# Altium PCB PCB4.PcbDoc (part 3 of 12)
Units mil, origin at the board's own origin, x right, y up, seen from the top; angles counter-clockwise.
Board outline 9204.7 x 4350.39 mil, 4 copper layers (Top Layer, Layer 1, Layer 2, Bottom Layer), stack 23.756 mil thick; 1824 components, 1732 nets, 6090 pads, 1022 vias.
Unrouted connection lines stored in the file: 2463.
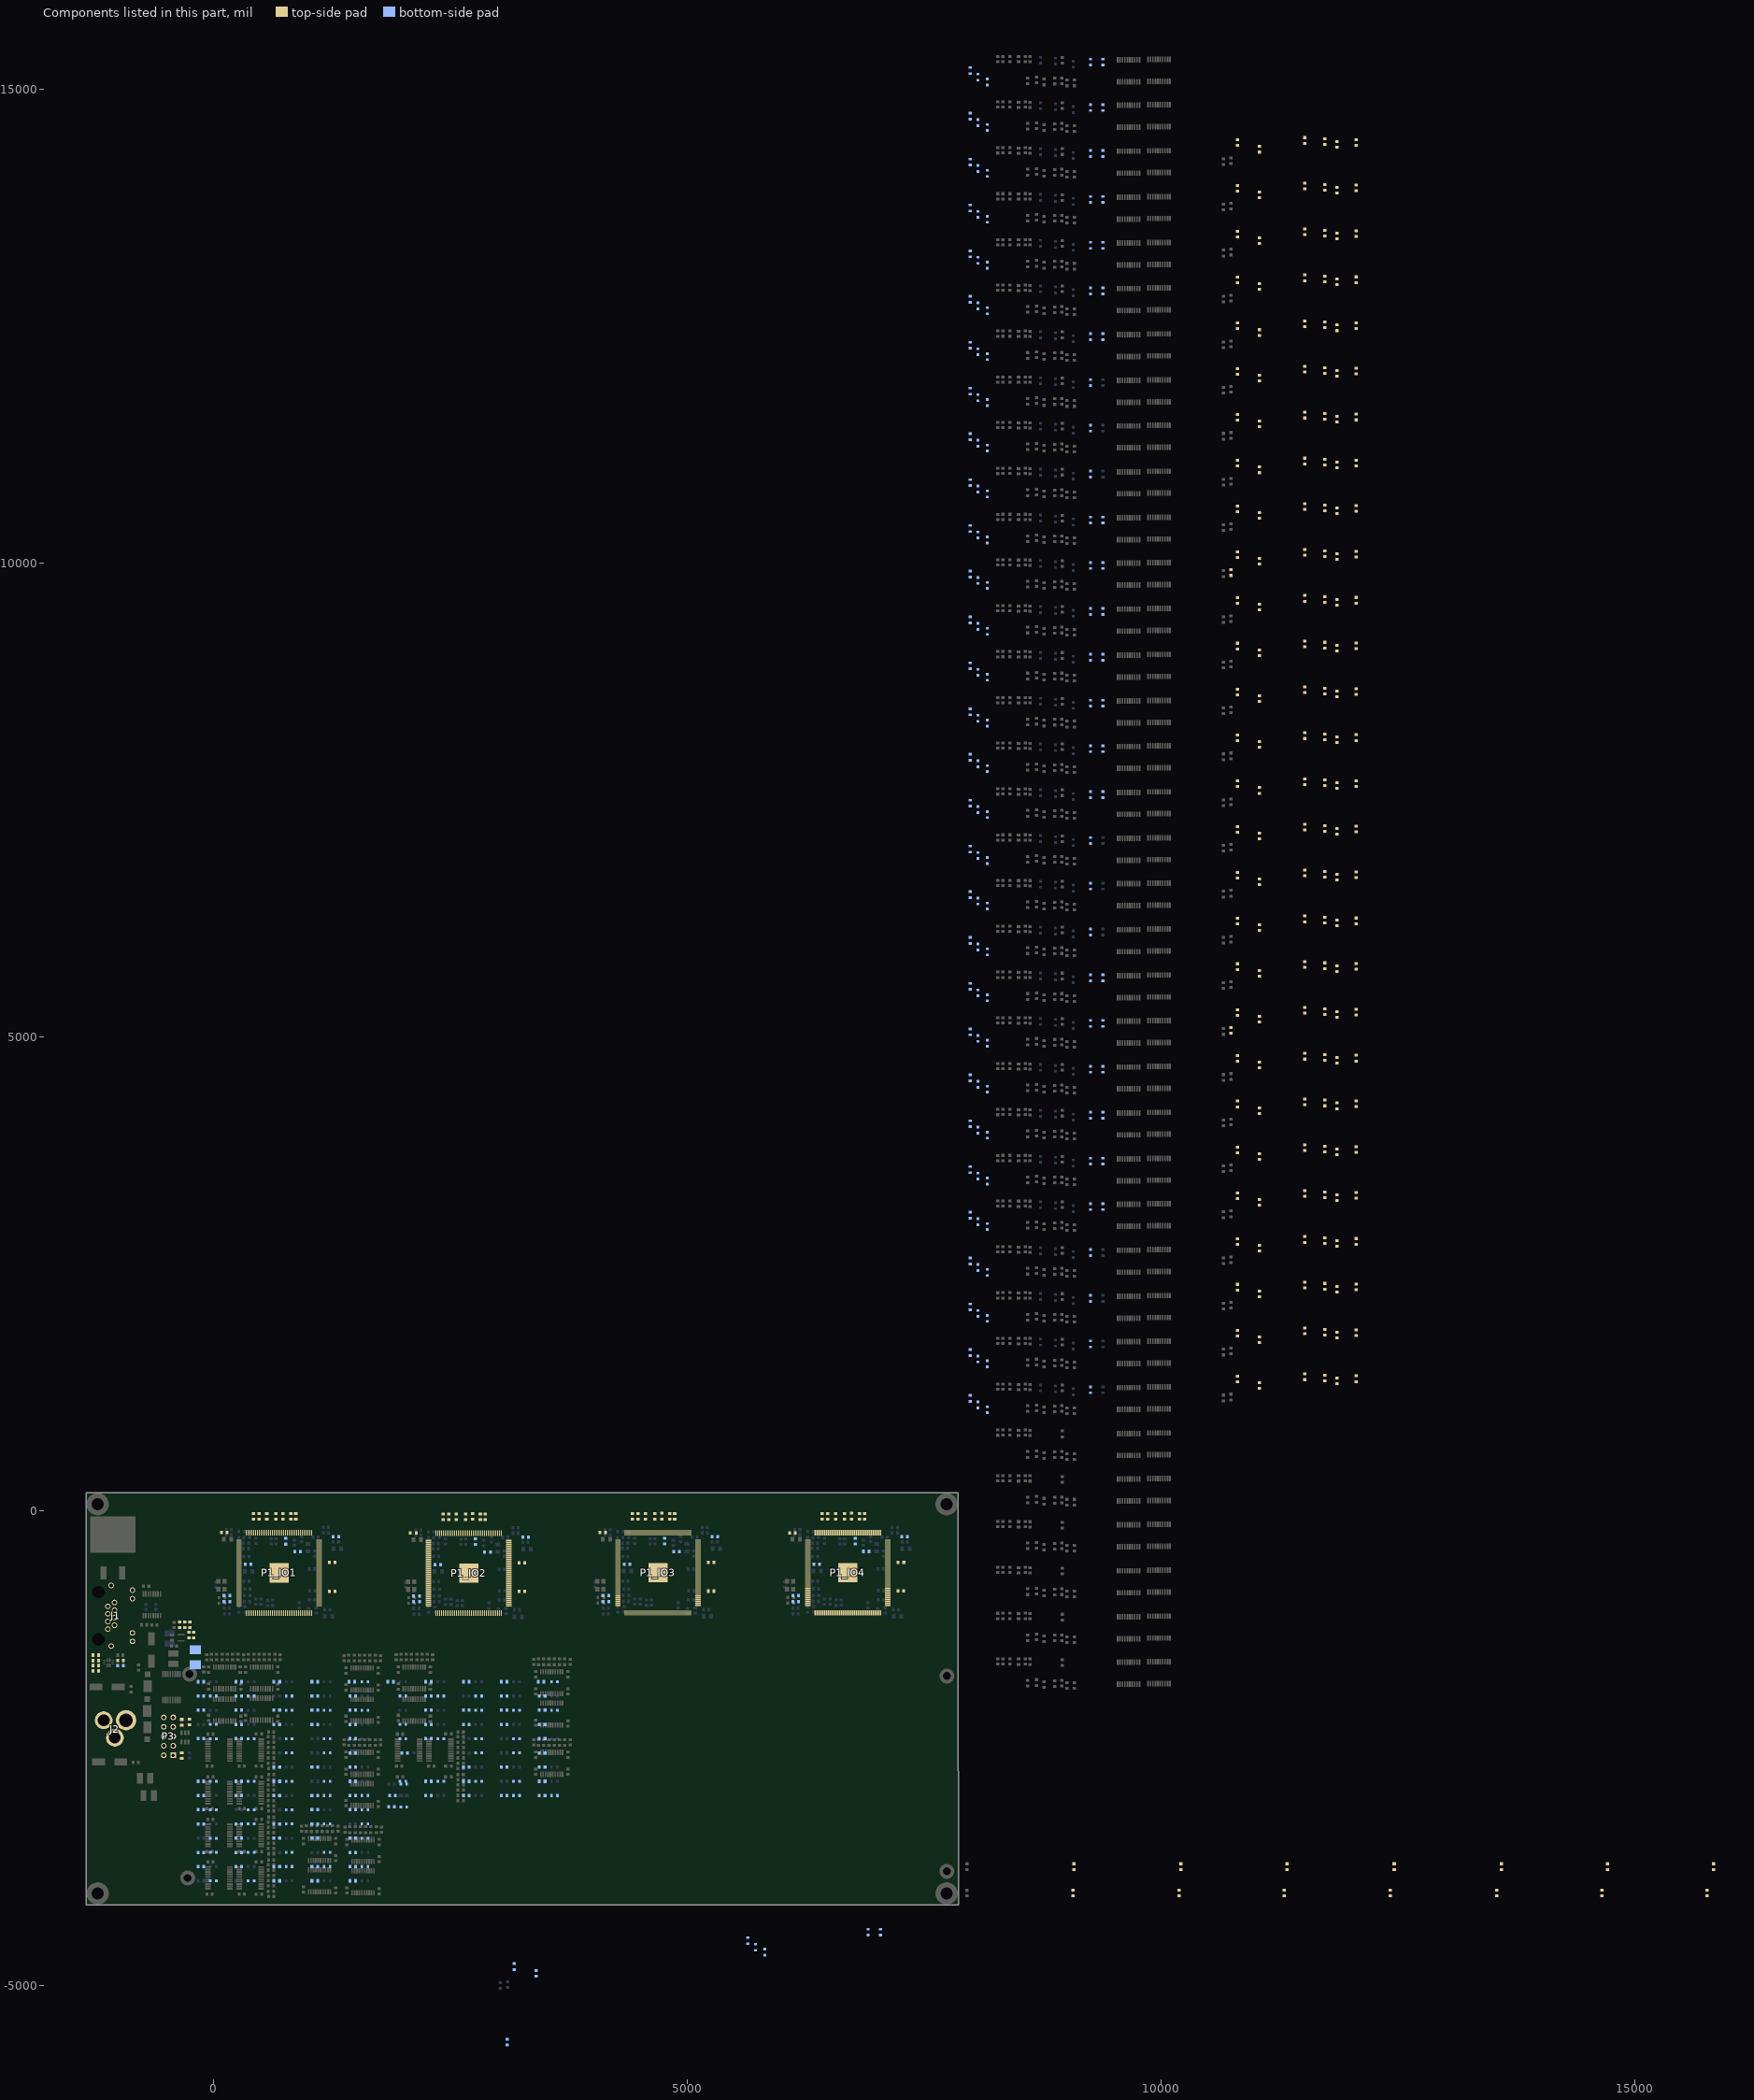
[diagram p5: the components of this part, seen from the top]

## Components (designator, comment, footprint, x,y, rotation, side; value= is the part's Value field where it differs from the comment) (continued)
D10_U_LED_BUFFER43 "LEDG" LED_0603 9386.74,7559.26 r90 bottom value=GREEN (schematic designator D10)
D10_U_LED_BUFFER44 "LEDG" LED_0603 9386.74,12389.96 r90 bottom value=GREEN (schematic designator D10)
D10_U_LED_BUFFER51 "LEDG" LED_0603 0,-2850 r180 bottom value=GREEN (schematic designator D10)
D10_U_LED_BUFFER51_1 "LEDG" LED_0603 2000,-2850 r180 bottom value=GREEN (schematic designator D10)
D10_U_LED_BUFFER52 "LEDG" LED_0603 9386.74,3212.81 r90 bottom value=GREEN (schematic designator D10)
D10_U_LED_BUFFER53 "LEDG" LED_0603 9386.74,8043.51 r90 bottom value=GREEN (schematic designator D10)
D10_U_LED_BUFFER54 "LEDG" LED_0603 9386.74,12874.21 r90 bottom value=GREEN (schematic designator D10)
D10_U_LED_BUFFER61 "LEDG" LED_0603 1200,-3000 r180 bottom value=GREEN (schematic designator D10)
D10_U_LED_BUFFER61_1 "LEDG" LED_0603 3200,-3000 r180 bottom value=GREEN (schematic designator D10)
D10_U_LED_BUFFER62 "LEDG" LED_0603 9386.74,3693.12 r90 bottom value=GREEN (schematic designator D10)
D10_U_LED_BUFFER63 "LEDG" LED_0603 9386.74,8523.82 r90 bottom value=GREEN (schematic designator D10)
D10_U_LED_BUFFER64 "LEDG" LED_0603 9386.74,13354.52 r90 bottom value=GREEN (schematic designator D10)
D10_U_LED_BUFFER71 "LEDG" LED_0603 400,-3300 r180 bottom value=GREEN (schematic designator D10)
D10_U_LED_BUFFER72 "LEDG" LED_0603 9386.74,4177.38 r90 bottom value=GREEN (schematic designator D10)
D10_U_LED_BUFFER73 "LEDG" LED_0603 9386.74,9008.07 r90 bottom value=GREEN (schematic designator D10)
D10_U_LED_BUFFER74 "LEDG" LED_0603 9386.74,13838.77 r90 bottom value=GREEN (schematic designator D10)
D10_U_LED_BUFFER81 "LEDG" LED_0603 1600,-3450 r180 bottom value=GREEN (schematic designator D10)
D10_U_LED_BUFFER82 "LEDG" LED_0603 9386.74,4661.63 r90 bottom value=GREEN (schematic designator D10)
D10_U_LED_BUFFER83 "LEDG" LED_0603 9386.74,9492.32 r90 bottom value=GREEN (schematic designator D10)
D10_U_LED_BUFFER84 "LEDG" LED_0603 9386.74,14323.02 r90 bottom value=GREEN (schematic designator D10)
D10_U_LED_BUFFER91 "LEDG" LED_0603 800,-3750 r180 bottom value=GREEN (schematic designator D10)
D10_U_LED_BUFFER92 "LEDG" LED_0603 9386.74,5145.88 r90 bottom value=GREEN (schematic designator D10)
D10_U_LED_BUFFER93 "LEDG" LED_0603 9386.74,9976.58 r90 bottom value=GREEN (schematic designator D10)
D10_U_LED_BUFFER94 "LEDG" LED_0603 9386.74,14807.27 r90 bottom value=GREEN (schematic designator D10)
D10_U_LED_BUFFER101 "LEDG" LED_0603 7040,-4441.18 r90 bottom value=GREEN (schematic designator D10)
D10_U_LED_BUFFER102 "LEDG" LED_0603 9386.74,5626.19 r90 bottom value=GREEN (schematic designator D10)
D10_U_LED_BUFFER103 "LEDG" LED_0603 9386.74,10456.89 r90 bottom value=GREEN (schematic designator D10)
D10_U_LED_BUFFER104 "LEDG" LED_0603 9386.74,15287.59 r90 bottom value=GREEN (schematic designator D10)
D11_U_LED_BUFFER11 "LEDG" LED_0603 1600,-1800 r180 bottom value=GREEN (schematic designator D11)
D11_U_LED_BUFFER11_1 "LEDG" LED_0603 3600,-1800 r180 bottom value=GREEN (schematic designator D11)
D11_U_LED_BUFFER12 "LEDG" LED_0603 9256.74,1279.74 r90 bottom value=GREEN (schematic designator D11)
D11_U_LED_BUFFER13 "LEDG" LED_0603 9256.74,6110.44 r90 bottom value=GREEN (schematic designator D11)
D11_U_LED_BUFFER14 "LEDG" LED_0603 9256.74,10941.14 r90 bottom value=GREEN (schematic designator D11)
D11_U_LED_BUFFER21 "LEDG" LED_0603 800,-2100 r180 bottom value=GREEN (schematic designator D11)
D11_U_LED_BUFFER21_1 "LEDG" LED_0603 2800,-2100 r180 bottom value=GREEN (schematic designator D11)
D11_U_LED_BUFFER22 "LEDG" LED_0603 9256.74,1763.99 r90 bottom value=GREEN (schematic designator D11)
D11_U_LED_BUFFER23 "LEDG" LED_0603 9256.74,6594.69 r90 bottom value=GREEN (schematic designator D11)
D11_U_LED_BUFFER24 "LEDG" LED_0603 9256.74,11425.39 r90 bottom value=GREEN (schematic designator D11)
D11_U_LED_BUFFER31 "LEDG" LED_0603 0,-2400 r180 bottom value=GREEN (schematic designator D11)
D11_U_LED_BUFFER31_1 "LEDG" LED_0603 2000,-2400 r180 bottom value=GREEN (schematic designator D11)
D11_U_LED_BUFFER32 "LEDG" LED_0603 9256.74,2244.31 r90 bottom value=GREEN (schematic designator D11)
D11_U_LED_BUFFER33 "LEDG" LED_0603 9256.74,7075.01 r90 bottom value=GREEN (schematic designator D11)
D11_U_LED_BUFFER34 "LEDG" LED_0603 9256.74,11905.71 r90 bottom value=GREEN (schematic designator D11)
D11_U_LED_BUFFER41 "LEDG" LED_0603 1600,-3000 r180 bottom value=GREEN (schematic designator D11)
D11_U_LED_BUFFER41_1 "LEDG" LED_0603 3600,-3000 r180 bottom value=GREEN (schematic designator D11)
D11_U_LED_BUFFER42 "LEDG" LED_0603 9256.74,2728.56 r90 bottom value=GREEN (schematic designator D11)
D11_U_LED_BUFFER43 "LEDG" LED_0603 9256.74,7559.26 r90 bottom value=GREEN (schematic designator D11)
D11_U_LED_BUFFER44 "LEDG" LED_0603 9256.74,12389.96 r90 bottom value=GREEN (schematic designator D11)
D11_U_LED_BUFFER51 "LEDG" LED_0603 400,-2850 r180 bottom value=GREEN (schematic designator D11)
D11_U_LED_BUFFER51_1 "LEDG" LED_0603 2400,-2850 r180 bottom value=GREEN (schematic designator D11)
D11_U_LED_BUFFER52 "LEDG" LED_0603 9256.74,3212.81 r90 bottom value=GREEN (schematic designator D11)
D11_U_LED_BUFFER53 "LEDG" LED_0603 9256.74,8043.51 r90 bottom value=GREEN (schematic designator D11)
D11_U_LED_BUFFER54 "LEDG" LED_0603 9256.74,12874.21 r90 bottom value=GREEN (schematic designator D11)
D11_U_LED_BUFFER61 "LEDG" LED_0603 2010,-3120 r180 bottom value=GREEN (schematic designator D11)
D11_U_LED_BUFFER62 "LEDG" LED_0603 9256.74,3693.12 r90 bottom value=GREEN (schematic designator D11)
D11_U_LED_BUFFER63 "LEDG" LED_0603 9256.74,8523.82 r90 bottom value=GREEN (schematic designator D11)
D11_U_LED_BUFFER64 "LEDG" LED_0603 9256.74,13354.52 r90 bottom value=GREEN (schematic designator D11)
D11_U_LED_BUFFER71 "LEDG" LED_0603 800,-3300 r180 bottom value=GREEN (schematic designator D11)
D11_U_LED_BUFFER72 "LEDG" LED_0603 9256.74,4177.38 r90 bottom value=GREEN (schematic designator D11)
D11_U_LED_BUFFER73 "LEDG" LED_0603 9256.74,9008.07 r90 bottom value=GREEN (schematic designator D11)
D11_U_LED_BUFFER74 "LEDG" LED_0603 9256.74,13838.77 r90 bottom value=GREEN (schematic designator D11)
D11_U_LED_BUFFER81 "LEDG" LED_0603 0,-3600 r180 bottom value=GREEN (schematic designator D11)
D11_U_LED_BUFFER82 "LEDG" LED_0603 9256.74,4661.63 r90 bottom value=GREEN (schematic designator D11)
D11_U_LED_BUFFER83 "LEDG" LED_0603 9256.74,9492.32 r90 bottom value=GREEN (schematic designator D11)
D11_U_LED_BUFFER84 "LEDG" LED_0603 9256.74,14323.02 r90 bottom value=GREEN (schematic designator D11)
D11_U_LED_BUFFER91 "LEDG" LED_0603 1200,-3750 r180 bottom value=GREEN (schematic designator D11)
D11_U_LED_BUFFER92 "LEDG" LED_0603 9256.74,5145.88 r90 bottom value=GREEN (schematic designator D11)
D11_U_LED_BUFFER93 "LEDG" LED_0603 9256.74,9976.58 r90 bottom value=GREEN (schematic designator D11)
D11_U_LED_BUFFER94 "LEDG" LED_0603 9256.74,14807.27 r90 bottom value=GREEN (schematic designator D11)
D11_U_LED_BUFFER101 "LEDG" LED_0603 6910,-4441.18 r90 bottom value=GREEN (schematic designator D11)
D11_U_LED_BUFFER102 "LEDG" LED_0603 9256.74,5626.19 r90 bottom value=GREEN (schematic designator D11)
D11_U_LED_BUFFER103 "LEDG" LED_0603 9256.74,10456.89 r90 bottom value=GREEN (schematic designator D11)
D11_U_LED_BUFFER104 "LEDG" LED_0603 9256.74,15287.59 r90 bottom value=GREEN (schematic designator D11)
D12_U_LED_BUFFER11 "LEDG" LED_0603 0,-1950 r180 bottom value=GREEN (schematic designator D12)
D12_U_LED_BUFFER11_1 "LEDG" LED_0603 2000,-1950 r180 bottom value=GREEN (schematic designator D12)
D12_U_LED_BUFFER12 "LEDG" LED_0603 8166.74,1069.74 r90 bottom value=GREEN (schematic designator D12)
D12_U_LED_BUFFER13 "LEDG" LED_0603 8166.74,5900.44 r90 bottom value=GREEN (schematic designator D12)
D12_U_LED_BUFFER14 "LEDG" LED_0603 8166.74,10731.14 r90 bottom value=GREEN (schematic designator D12)
D12_U_LED_BUFFER21 "LEDG" LED_0603 1200,-2100 r180 bottom value=GREEN (schematic designator D12)
D12_U_LED_BUFFER21_1 "LEDG" LED_0603 3200,-2100 r180 bottom value=GREEN (schematic designator D12)
D12_U_LED_BUFFER22 "LEDG" LED_0603 8166.74,1553.99 r90 bottom value=GREEN (schematic designator D12)
D12_U_LED_BUFFER23 "LEDG" LED_0603 8166.74,6384.69 r90 bottom value=GREEN (schematic designator D12)
D12_U_LED_BUFFER24 "LEDG" LED_0603 8166.74,11215.39 r90 bottom value=GREEN (schematic designator D12)
D12_U_LED_BUFFER31 "LEDG" LED_0603 400,-2400 r180 bottom value=GREEN (schematic designator D12)
D12_U_LED_BUFFER31_1 "LEDG" LED_0603 2400,-2400 r180 bottom value=GREEN (schematic designator D12)
D12_U_LED_BUFFER32 "LEDG" LED_0603 8166.74,2034.31 r90 bottom value=GREEN (schematic designator D12)
D12_U_LED_BUFFER33 "LEDG" LED_0603 8166.74,6865.01 r90 bottom value=GREEN (schematic designator D12)
D12_U_LED_BUFFER34 "LEDG" LED_0603 8166.74,11695.71 r90 bottom value=GREEN (schematic designator D12)
D12_U_LED_BUFFER41 "LEDG" LED_0603 1600,-3150 r180 bottom value=GREEN (schematic designator D12)
D12_U_LED_BUFFER42 "LEDG" LED_0603 8166.74,2518.56 r90 bottom value=GREEN (schematic designator D12)
D12_U_LED_BUFFER43 "LEDG" LED_0603 8166.74,7349.26 r90 bottom value=GREEN (schematic designator D12)
D12_U_LED_BUFFER44 "LEDG" LED_0603 8166.74,12179.96 r90 bottom value=GREEN (schematic designator D12)
D12_U_LED_BUFFER51 "LEDG" LED_0603 800,-2850 r180 bottom value=GREEN (schematic designator D12)
D12_U_LED_BUFFER51_1 "LEDG" LED_0603 2800,-2850 r180 bottom value=GREEN (schematic designator D12)
D12_U_LED_BUFFER52 "LEDG" LED_0603 8166.74,3002.81 r90 bottom value=GREEN (schematic designator D12)
D12_U_LED_BUFFER53 "LEDG" LED_0603 8166.74,7833.51 r90 bottom value=GREEN (schematic designator D12)
D12_U_LED_BUFFER54 "LEDG" LED_0603 8166.74,12664.21 r90 bottom value=GREEN (schematic designator D12)
D12_U_LED_BUFFER61 "LEDG" LED_0603 0,-3150 r180 bottom value=GREEN (schematic designator D12)
D12_U_LED_BUFFER62 "LEDG" LED_0603 8166.74,3483.12 r90 bottom value=GREEN (schematic designator D12)
D12_U_LED_BUFFER63 "LEDG" LED_0603 8166.74,8313.82 r90 bottom value=GREEN (schematic designator D12)
D12_U_LED_BUFFER64 "LEDG" LED_0603 8166.74,13144.52 r90 bottom value=GREEN (schematic designator D12)
D12_U_LED_BUFFER71 "LEDG" LED_0603 1200,-3300 r180 bottom value=GREEN (schematic designator D12)
D12_U_LED_BUFFER72 "LEDG" LED_0603 8166.74,3967.38 r90 bottom value=GREEN (schematic designator D12)
D12_U_LED_BUFFER73 "LEDG" LED_0603 8166.74,8798.07 r90 bottom value=GREEN (schematic designator D12)
D12_U_LED_BUFFER74 "LEDG" LED_0603 8166.74,13628.77 r90 bottom value=GREEN (schematic designator D12)
D12_U_LED_BUFFER81 "LEDG" LED_0603 400,-3600 r180 bottom value=GREEN (schematic designator D12)
D12_U_LED_BUFFER82 "LEDG" LED_0603 8166.74,4451.63 r90 bottom value=GREEN (schematic designator D12)
D12_U_LED_BUFFER83 "LEDG" LED_0603 8166.74,9282.32 r90 bottom value=GREEN (schematic designator D12)
D12_U_LED_BUFFER84 "LEDG" LED_0603 8166.74,14113.02 r90 bottom value=GREEN (schematic designator D12)
D12_U_LED_BUFFER91 "LEDG" LED_0603 1600,-3750 r180 bottom value=GREEN (schematic designator D12)
D12_U_LED_BUFFER92 "LEDG" LED_0603 8166.74,4935.88 r90 bottom value=GREEN (schematic designator D12)
D12_U_LED_BUFFER93 "LEDG" LED_0603 8166.74,9766.58 r90 bottom value=GREEN (schematic designator D12)
D12_U_LED_BUFFER94 "LEDG" LED_0603 8166.74,14597.27 r90 bottom value=GREEN (schematic designator D12)
D12_U_LED_BUFFER101 "LEDG" LED_0603 5820,-4651.18 r90 bottom value=GREEN (schematic designator D12)
D12_U_LED_BUFFER102 "LEDG" LED_0603 8166.74,5416.19 r90 bottom value=GREEN (schematic designator D12)
D12_U_LED_BUFFER103 "LEDG" LED_0603 8166.74,10246.89 r90 bottom value=GREEN (schematic designator D12)
D12_U_LED_BUFFER104 "LEDG" LED_0603 8166.74,15077.59 r90 bottom value=GREEN (schematic designator D12)
D13_U_LED_BUFFER11 "LEDG" LED_0603 400,-1950 r180 bottom value=GREEN (schematic designator D13)
D13_U_LED_BUFFER11_1 "LEDG" LED_0603 2400,-1950 r180 bottom value=GREEN (schematic designator D13)
D13_U_LED_BUFFER12 "LEDG" LED_0603 8066.74,1121.24 r90 bottom value=GREEN (schematic designator D13)
D13_U_LED_BUFFER13 "LEDG" LED_0603 8066.74,5951.94 r90 bottom value=GREEN (schematic designator D13)
D13_U_LED_BUFFER14 "LEDG" LED_0603 8066.74,10782.64 r90 bottom value=GREEN (schematic designator D13)
D13_U_LED_BUFFER21 "LEDG" LED_0603 1600,-2100 r180 bottom value=GREEN (schematic designator D13)
D13_U_LED_BUFFER21_1 "LEDG" LED_0603 3600,-2100 r180 bottom value=GREEN (schematic designator D13)
D13_U_LED_BUFFER22 "LEDG" LED_0603 8066.74,1605.49 r90 bottom value=GREEN (schematic designator D13)
D13_U_LED_BUFFER23 "LEDG" LED_0603 8066.74,6436.19 r90 bottom value=GREEN (schematic designator D13)
D13_U_LED_BUFFER24 "LEDG" LED_0603 8066.74,11266.89 r90 bottom value=GREEN (schematic designator D13)
D13_U_LED_BUFFER31 "LEDG" LED_0603 800,-2400 r180 bottom value=GREEN (schematic designator D13)
D13_U_LED_BUFFER31_1 "LEDG" LED_0603 2800,-2400 r180 bottom value=GREEN (schematic designator D13)
D13_U_LED_BUFFER32 "LEDG" LED_0603 8066.74,2085.8 r90 bottom value=GREEN (schematic designator D13)
D13_U_LED_BUFFER33 "LEDG" LED_0603 8066.74,6916.5 r90 bottom value=GREEN (schematic designator D13)
D13_U_LED_BUFFER34 "LEDG" LED_0603 8066.74,11747.2 r90 bottom value=GREEN (schematic designator D13)
D13_U_LED_BUFFER41 "LEDG" LED_0603 1200,-2550 r180 bottom value=GREEN (schematic designator D13)
D13_U_LED_BUFFER41_1 "LEDG" LED_0603 3200,-2550 r180 bottom value=GREEN (schematic designator D13)
D13_U_LED_BUFFER42 "LEDG" LED_0603 8066.74,2570.06 r90 bottom value=GREEN (schematic designator D13)
D13_U_LED_BUFFER43 "LEDG" LED_0603 8066.74,7400.75 r90 bottom value=GREEN (schematic designator D13)
D13_U_LED_BUFFER44 "LEDG" LED_0603 8066.74,12231.45 r90 bottom value=GREEN (schematic designator D13)
D13_U_LED_BUFFER51 "LEDG" LED_0603 1200,-2850 r180 bottom value=GREEN (schematic designator D13)
D13_U_LED_BUFFER51_1 "LEDG" LED_0603 3200,-2850 r180 bottom value=GREEN (schematic designator D13)
D13_U_LED_BUFFER52 "LEDG" LED_0603 8066.74,3054.31 r90 bottom value=GREEN (schematic designator D13)
D13_U_LED_BUFFER53 "LEDG" LED_0603 8066.74,7885.01 r90 bottom value=GREEN (schematic designator D13)
D13_U_LED_BUFFER54 "LEDG" LED_0603 8066.74,12715.7 r90 bottom value=GREEN (schematic designator D13)
D13_U_LED_BUFFER61 "LEDG" LED_0603 400,-3150 r180 bottom value=GREEN (schematic designator D13)
D13_U_LED_BUFFER62 "LEDG" LED_0603 8066.74,3534.62 r90 bottom value=GREEN (schematic designator D13)
D13_U_LED_BUFFER63 "LEDG" LED_0603 8066.74,8365.32 r90 bottom value=GREEN (schematic designator D13)
D13_U_LED_BUFFER64 "LEDG" LED_0603 8066.74,13196.02 r90 bottom value=GREEN (schematic designator D13)
D13_U_LED_BUFFER71 "LEDG" LED_0603 1600,-3300 r180 bottom value=GREEN (schematic designator D13)
D13_U_LED_BUFFER72 "LEDG" LED_0603 8066.74,4018.87 r90 bottom value=GREEN (schematic designator D13)
D13_U_LED_BUFFER73 "LEDG" LED_0603 8066.74,8849.57 r90 bottom value=GREEN (schematic designator D13)
D13_U_LED_BUFFER74 "LEDG" LED_0603 8066.74,13680.27 r90 bottom value=GREEN (schematic designator D13)
D13_U_LED_BUFFER81 "LEDG" LED_0603 800,-3600 r180 bottom value=GREEN (schematic designator D13)
D13_U_LED_BUFFER82 "LEDG" LED_0603 8066.74,4503.12 r90 bottom value=GREEN (schematic designator D13)
D13_U_LED_BUFFER83 "LEDG" LED_0603 8066.74,9333.82 r90 bottom value=GREEN (schematic designator D13)
D13_U_LED_BUFFER84 "LEDG" LED_0603 8066.74,14164.52 r90 bottom value=GREEN (schematic designator D13)
D13_U_LED_BUFFER91 "LEDG" LED_0603 0,-3900 r180 bottom value=GREEN (schematic designator D13)
D13_U_LED_BUFFER92 "LEDG" LED_0603 8066.74,4987.37 r90 bottom value=GREEN (schematic designator D13)
D13_U_LED_BUFFER93 "LEDG" LED_0603 8066.74,9818.07 r90 bottom value=GREEN (schematic designator D13)
D13_U_LED_BUFFER94 "LEDG" LED_0603 8066.74,14648.77 r90 bottom value=GREEN (schematic designator D13)
D13_U_LED_BUFFER101 "LEDG" LED_0603 5720,-4599.69 r90 bottom value=GREEN (schematic designator D13)
D13_U_LED_BUFFER102 "LEDG" LED_0603 8066.74,5467.69 r90 bottom value=GREEN (schematic designator D13)
D13_U_LED_BUFFER103 "LEDG" LED_0603 8066.74,10298.39 r90 bottom value=GREEN (schematic designator D13)
D13_U_LED_BUFFER104 "LEDG" LED_0603 8066.74,15129.09 r90 bottom value=GREEN (schematic designator D13)
D14_U_LED_BUFFER11 "LEDG" LED_0603 800,-1950 r180 bottom value=GREEN (schematic designator D14)
D14_U_LED_BUFFER11_1 "LEDG" LED_0603 2800,-1950 r180 bottom value=GREEN (schematic designator D14)
D14_U_LED_BUFFER12 "LEDG" LED_0603 7986.74,1189.74 r90 bottom value=GREEN (schematic designator D14)
D14_U_LED_BUFFER13 "LEDG" LED_0603 7986.74,6020.44 r90 bottom value=GREEN (schematic designator D14)
D14_U_LED_BUFFER14 "LEDG" LED_0603 7986.74,10851.14 r90 bottom value=GREEN (schematic designator D14)
D14_U_LED_BUFFER21 "LEDG" LED_0603 0,-2250 r180 bottom value=GREEN (schematic designator D14)
D14_U_LED_BUFFER21_1 "LEDG" LED_0603 2000,-2250 r180 bottom value=GREEN (schematic designator D14)
D14_U_LED_BUFFER22 "LEDG" LED_0603 7986.74,1673.99 r90 bottom value=GREEN (schematic designator D14)
D14_U_LED_BUFFER23 "LEDG" LED_0603 7986.74,6504.69 r90 bottom value=GREEN (schematic designator D14)
D14_U_LED_BUFFER24 "LEDG" LED_0603 7986.74,11335.39 r90 bottom value=GREEN (schematic designator D14)
D14_U_LED_BUFFER31 "LEDG" LED_0603 1200,-2400 r180 bottom value=GREEN (schematic designator D14)
D14_U_LED_BUFFER31_1 "LEDG" LED_0603 3200,-2400 r180 bottom value=GREEN (schematic designator D14)
D14_U_LED_BUFFER32 "LEDG" LED_0603 7986.74,2154.31 r90 bottom value=GREEN (schematic designator D14)
D14_U_LED_BUFFER33 "LEDG" LED_0603 7986.74,6985.01 r90 bottom value=GREEN (schematic designator D14)
D14_U_LED_BUFFER34 "LEDG" LED_0603 7986.74,11815.71 r90 bottom value=GREEN (schematic designator D14)
D14_U_LED_BUFFER41 "LEDG" LED_0603 800,-2550 r180 bottom value=GREEN (schematic designator D14)
D14_U_LED_BUFFER41_1 "LEDG" LED_0603 2800,-2550 r180 bottom value=GREEN (schematic designator D14)
D14_U_LED_BUFFER42 "LEDG" LED_0603 7986.74,2638.56 r90 bottom value=GREEN (schematic designator D14)
D14_U_LED_BUFFER43 "LEDG" LED_0603 7986.74,7469.26 r90 bottom value=GREEN (schematic designator D14)
D14_U_LED_BUFFER44 "LEDG" LED_0603 7986.74,12299.96 r90 bottom value=GREEN (schematic designator D14)
D14_U_LED_BUFFER51 "LEDG" LED_0603 2010,-2880 r180 bottom value=GREEN (schematic designator D14)
D14_U_LED_BUFFER52 "LEDG" LED_0603 7986.74,3122.81 r90 bottom value=GREEN (schematic designator D14)
D14_U_LED_BUFFER53 "LEDG" LED_0603 7986.74,7953.51 r90 bottom value=GREEN (schematic designator D14)
D14_U_LED_BUFFER54 "LEDG" LED_0603 7986.74,12784.21 r90 bottom value=GREEN (schematic designator D14)
D14_U_LED_BUFFER61 "LEDG" LED_0603 800,-3150 r180 bottom value=GREEN (schematic designator D14)
D14_U_LED_BUFFER62 "LEDG" LED_0603 7986.74,3603.12 r90 bottom value=GREEN (schematic designator D14)
D14_U_LED_BUFFER63 "LEDG" LED_0603 7986.74,8433.82 r90 bottom value=GREEN (schematic designator D14)
D14_U_LED_BUFFER64 "LEDG" LED_0603 7986.74,13264.52 r90 bottom value=GREEN (schematic designator D14)
D14_U_LED_BUFFER71 "LEDG" LED_0603 0,-3450 r180 bottom value=GREEN (schematic designator D14)
D14_U_LED_BUFFER72 "LEDG" LED_0603 7986.74,4087.38 r90 bottom value=GREEN (schematic designator D14)
D14_U_LED_BUFFER73 "LEDG" LED_0603 7986.74,8918.07 r90 bottom value=GREEN (schematic designator D14)
D14_U_LED_BUFFER74 "LEDG" LED_0603 7986.74,13748.77 r90 bottom value=GREEN (schematic designator D14)
D14_U_LED_BUFFER81 "LEDG" LED_0603 1200,-3600 r180 bottom value=GREEN (schematic designator D14)
D14_U_LED_BUFFER82 "LEDG" LED_0603 7986.74,4571.63 r90 bottom value=GREEN (schematic designator D14)
D14_U_LED_BUFFER83 "LEDG" LED_0603 7986.74,9402.32 r90 bottom value=GREEN (schematic designator D14)
D14_U_LED_BUFFER84 "LEDG" LED_0603 7986.74,14233.02 r90 bottom value=GREEN (schematic designator D14)
D14_U_LED_BUFFER91 "LEDG" LED_0603 400,-3900 r180 bottom value=GREEN (schematic designator D14)
D14_U_LED_BUFFER92 "LEDG" LED_0603 7986.74,5055.88 r90 bottom value=GREEN (schematic designator D14)
D14_U_LED_BUFFER93 "LEDG" LED_0603 7986.74,9886.58 r90 bottom value=GREEN (schematic designator D14)
D14_U_LED_BUFFER94 "LEDG" LED_0603 7986.74,14717.27 r90 bottom value=GREEN (schematic designator D14)